# Altium PCB Rainette.PcbDoc (part 1 of 2)
Units mm, origin at the board's own origin, x right, y up, seen from the top; angles counter-clockwise.
Board outline 91.87 x 44.86 mm, 4 copper layers (Top Layer, Int1 (GND), Int2 (3V3), Bottom Layer), stack 1.57 mm thick; 96 components, 65 nets, 342 pads, 257 vias.
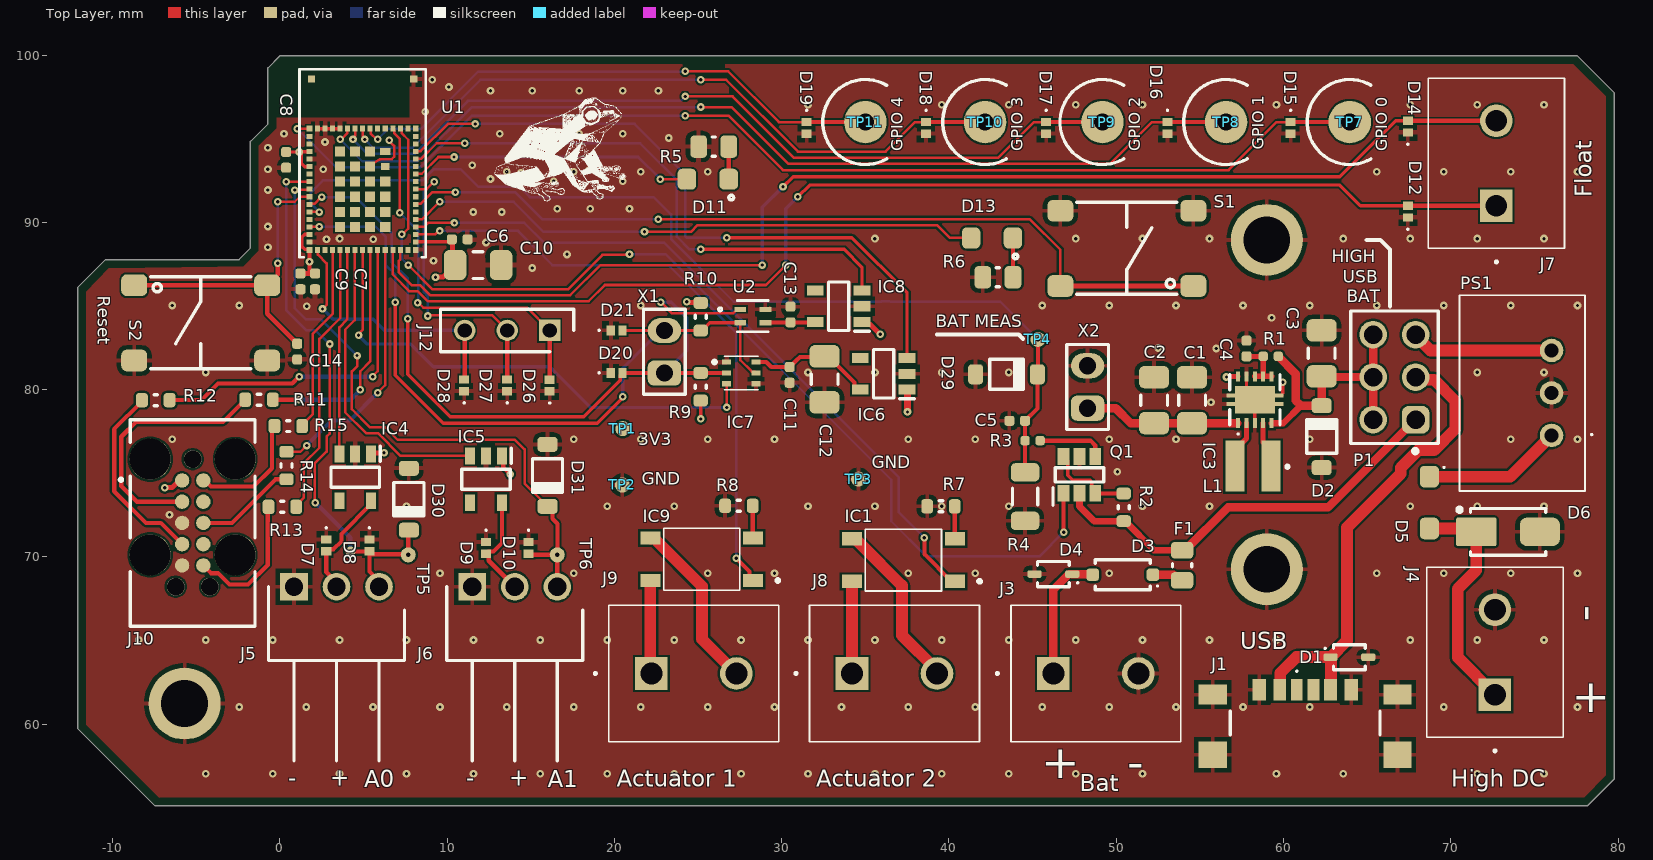
[diagram p0: Top Layer view]
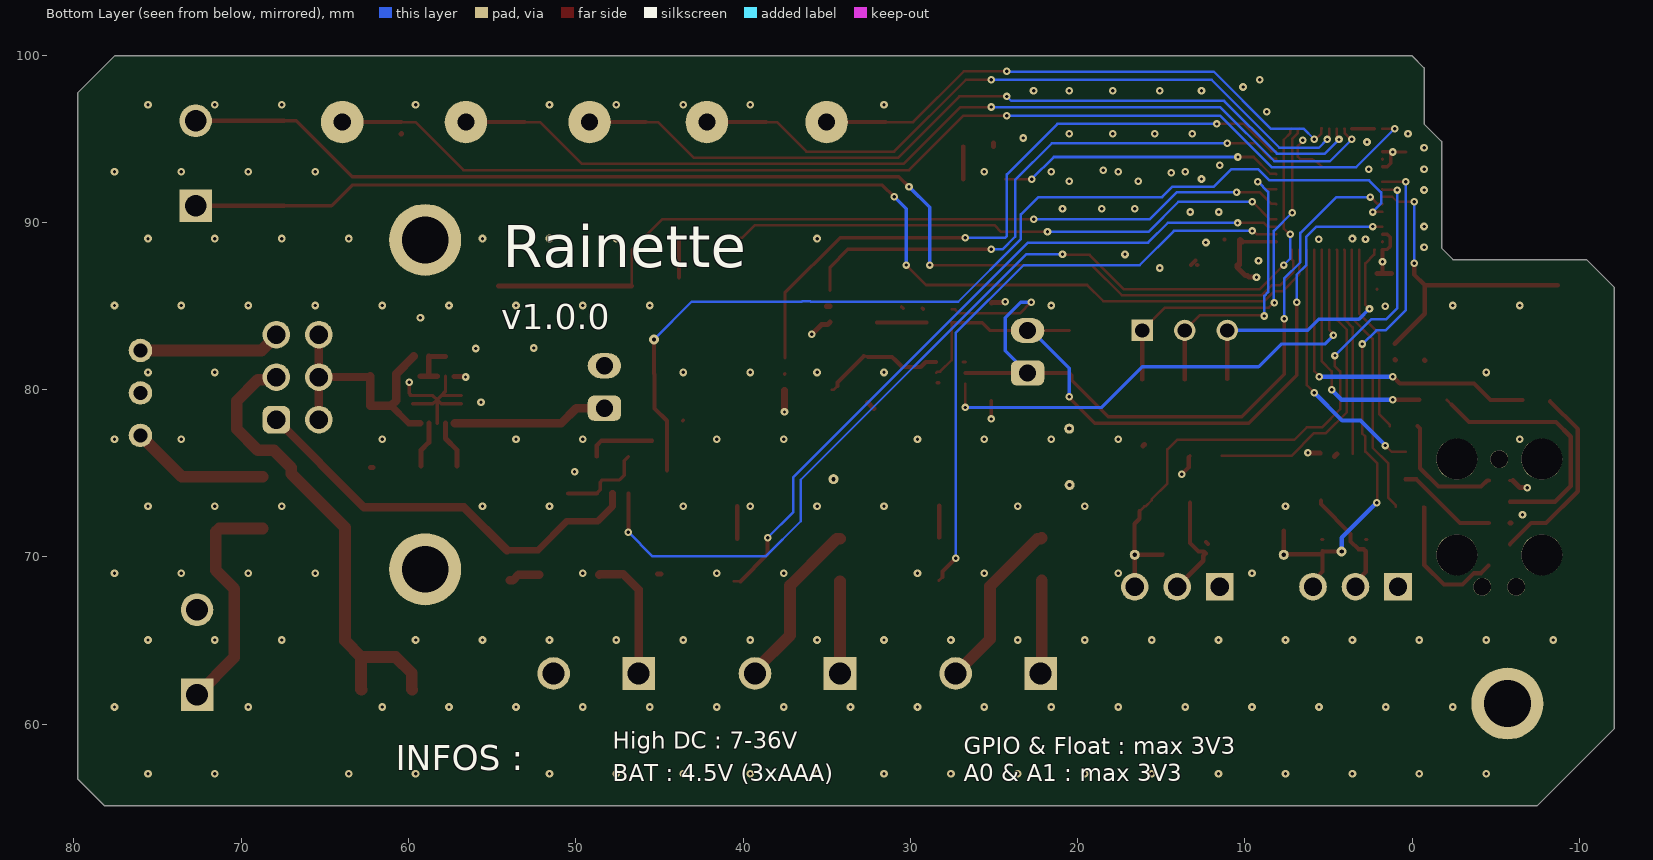
[diagram p1: Bottom Layer view, seen from below]
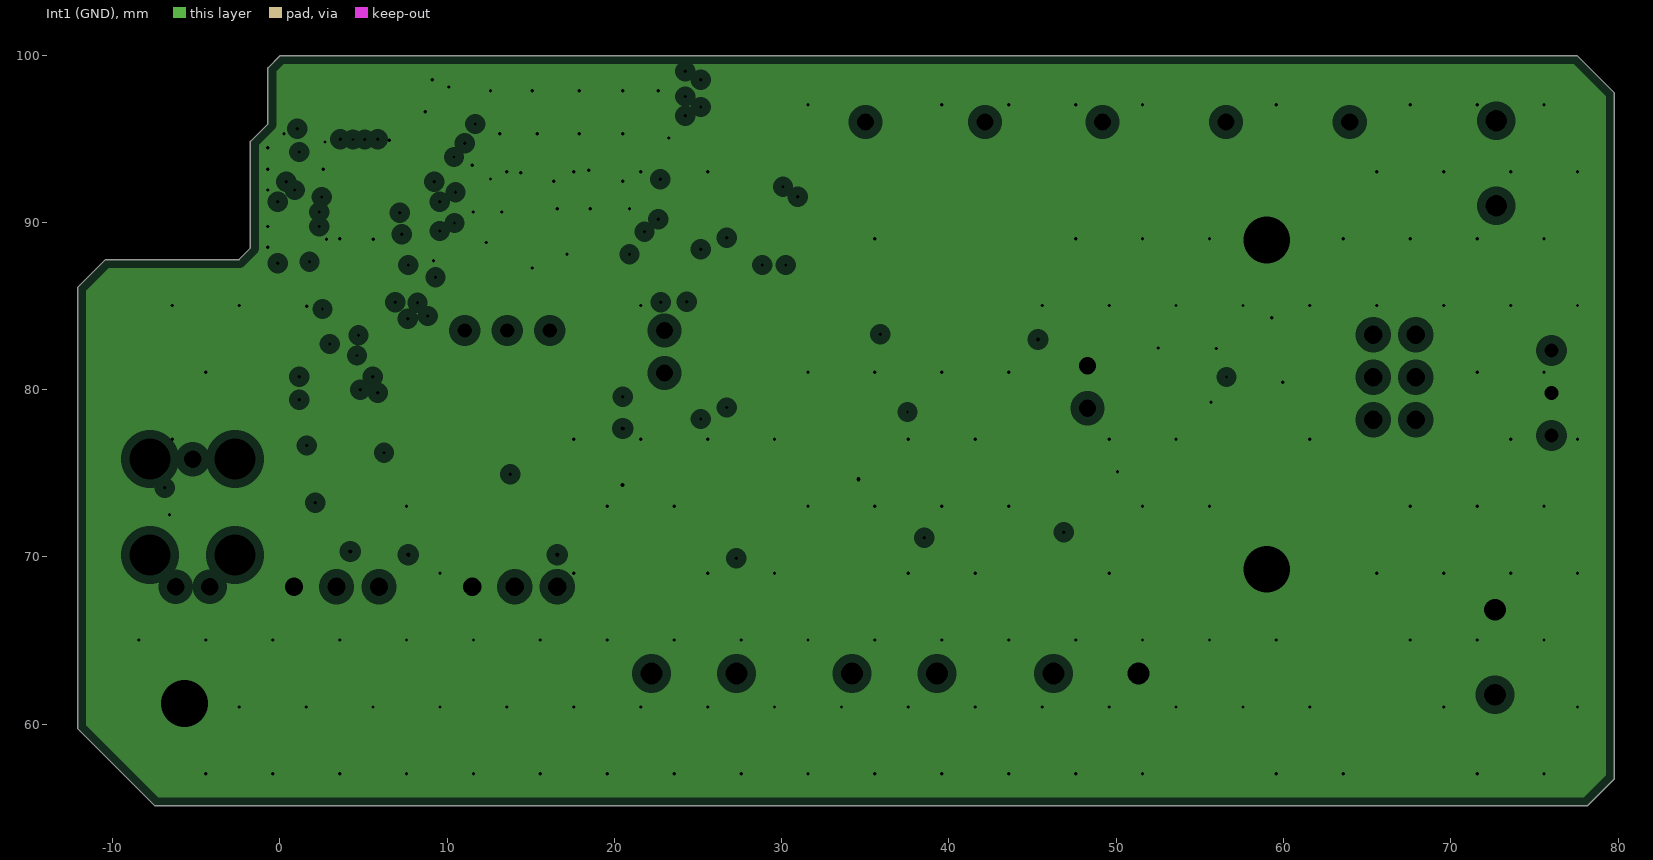
[diagram p2: Int1 (GND), clearances drawn from the general rule]
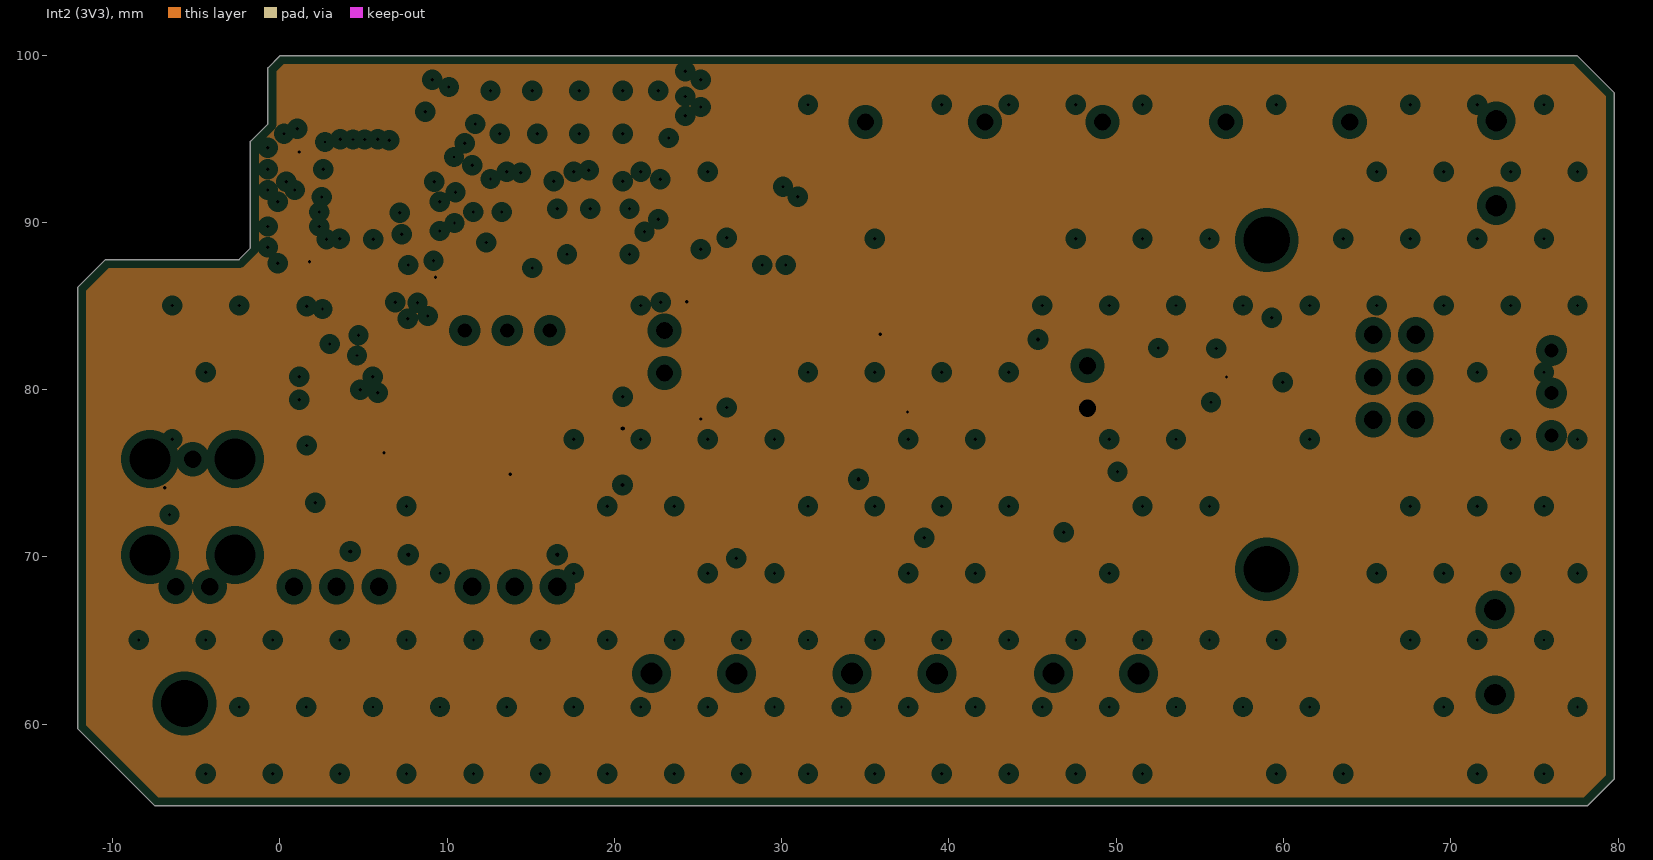
[diagram p3: Int2 (3V3), clearances drawn from the general rule]
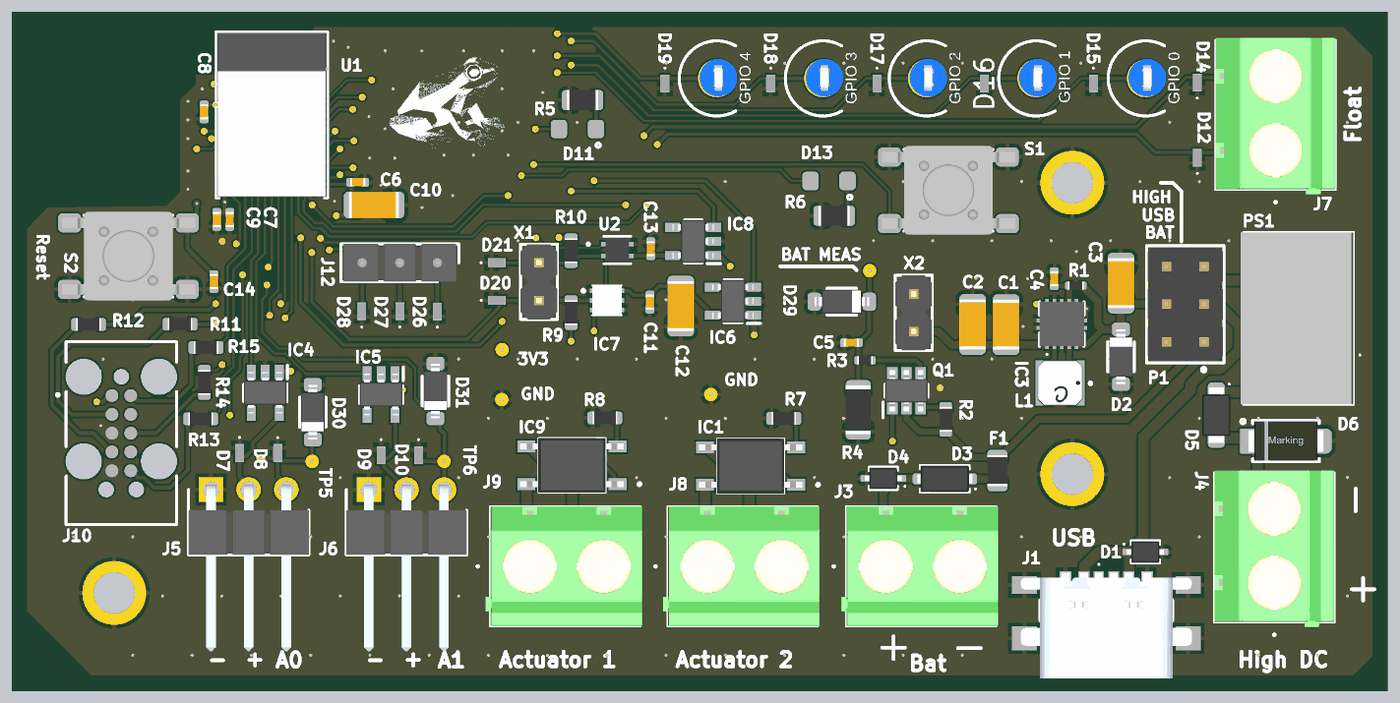
[diagram p5: 3D render of the assembled board from above, using the file's embedded part models]

## Layer stack, top to bottom
Top Solder: solder mask 0.0254, SM-001, Dk 4
Top Layer: signal copper 0.035
Dielectric 1: prepreg 0.18, PP-EC-NP155F, Dk 4.31
Dielectric 2: prepreg 0.18, PP-EC-NP155F, Dk 4.31
Int1 (GND): plane copper 0.035, net GND
Dielectric 3: core 0.71, Core-EC-NP155F-001, Dk 4.53
Int2 (3V3): plane copper 0.035, net 3V3
Dielectric 4: prepreg 0.18, PP-EC-NP155F, Dk 4.31
Dielectric 5: prepreg 0.18, PP-EC-NP155F, Dk 4.31
Bottom Layer: signal copper 0.035
Bottom Solder: solder mask 0.0254, SM-001, Dk 4

## Board outline
-2.438,87.782 -1.753,88.468 -1.753,94.844 -0.711,95.885 -0.711,99.238 0.025,99.974 77.546,99.974 79.781,97.739 79.781,56.744 78.156,55.118 -7.468,55.118 -12.09,59.741 -12.09,86.106 -10.414,87.782

## Design rules (kind name [scope] priority, off if disabled: settings)
Clearance Clearance_OLTTTPPP [OnOutside] p1: gap=0.125 ignorepadtopadclearanceinfootprint=TRUE
Clearance Clearance_ILTTTPPP [All] p2: gap=0.125 ignorepadtopadclearanceinfootprint=TRUE except(0.2: Arc-Hole Track-Hole SMDPad-Hole THPad-Hole Via-Hole Fill-Hole Poly-Hole Region-Hole)
HoleSize [All] p1: absolutevalues=TRUE maxlimit=1000 minlimit=0.15 maxpercent=80.000 minpercent=20.000
HoleToHoleClearance HoleToHoleClearance_uVia_same_layer_inner [IsMicroVia and ((StartLayer = 'Inner 1') and (StopLayer = 'Inner 2')) vs IsMicroVia and ((StartLayer = 'Inner 1') and (StopLayer = 'Inner 2'))] p1: gap=0.2 allowstackedmicrovias=FALSE
HoleToHoleClearance HoleToHoleClearance_uVia_same_layer_top [IsMicroVia and ((StartLayer = 'Top Layer') and (StopLayer = 'Inner 1')) vs IsMicroVia and ((StartLayer = 'Top Layer') and (StopLayer = 'Inner 1'))] p2: gap=0.2 allowstackedmicrovias=FALSE
HoleToHoleClearance HoleToHoleClearance_uVia [IsMicroVia vs IsMicroVia] p3: gap=0.01 allowstackedmicrovias=FALSE
HoleToHoleClearance [All] p4: gap=0.2 allowstackedmicrovias=FALSE
MinimumAnnularRing MinimumAnnularRing_uVia [IsMicroVia] p1: minimumring=0.09
MinimumAnnularRing MinimumAnnularRing_OAR [OnOutside] p2: minimumring=0.125
MinimumAnnularRing MinimumAnnularRing_IAR [All] p3: minimumring=0.125
PlaneClearance [All] p1: clearance=0.508
PlaneConnect [All] p1: pad.planeconnectstyle=Relief pad.reliefexpansion=0.508 pad.reliefentries=4 pad.reliefconductorwidth=0.254 pad.reliefairgap=0.254 via.planeconnectstyle=Direct via.reliefexpansion=0.508 via.reliefentries=4 via.reliefconductorwidth=0.254 via.reliefairgap=0.254
PolygonConnect PolygonConnectTC2050 [HasFootprint('TC2050-IDC') And OnLayer('Top Layer')] p1: connectstyle=Direct reliefconductorwidth=0.254 reliefentries=4 polygonreliefangle="90 Angle" airgapwidth=0.254
PolygonConnect [All] p2: thpad.connectstyle=Relief thpad.reliefconductorwidth=0.254 thpad.reliefentries=4 thpad.polygonreliefangle="90 Angle" thpad.airgapwidth=0.254 smdpad.connectstyle=Relief smdpad.reliefconductorwidth=0.254 smdpad.reliefentries=4 smdpad.polygonreliefangle="90 Angle" smdpad.airgapwidth=0.254 via.connectstyle=Direct via.reliefconductorwidth=0.254 via.reliefentries=4 via.polygonreliefangle="90 Angle" via.airgapwidth=0.254
RoutingVias RoutingVias_uVia [IsMicroVia] p1: holewidth=0.1 width=0.28 viastyle="Through Hole" minholewidth=0.1 minwidth=0.28 maxholewidth=0.1 maxwidth=0.28
RoutingVias [All] p2: holewidth=0.35 width=0.6 viastyle="Through Hole" minholewidth=0.25 minwidth=0.5 maxholewidth=3 maxwidth=3.25
SolderMaskExpansion [All] p1: expansion=0 istentingtop=FALSE
SupplyNets "Schematic Supply Nets_4" [InNet('VUSB')] p1: voltage=0.000
SupplyNets "Schematic Supply Nets_3" [InNet('3V3')] p2: voltage=0.000
SupplyNets "Schematic Supply Nets_2" [InNet('VHIGH')] p3: voltage=0.000
SupplyNets "Schematic Supply Nets_1" [InNet('GND')] p4: voltage=0.000
SupplyNets "Schematic Supply Nets" [InNet('VBAT')] p5: voltage=0.000
ViasUnderSMD [IsMicroVia] p1: allowed=TRUE
Width Width_ILTW [All] p1: maxlimit=3 minlimit=0.125 preferedwidth=0.125
26 further rules are at their usual default settings.

## Classes and differential pairs
component class Designator: D20 D21 D26 D27 D28 J10 J12 R9 R10 R11 R12 R13 R14 R15 X1
component class Designator: C1 C2 C3 C4 C5 D1 D2 D3 D4 D5 D6 D29 F1 IC3 J1 J3 J4 L1 P1 PS1 Q1 R1 R2 R3 R4 TP1 TP2 TP3 TP4 X2
component class Designator: C14 D11 D12 D13 D14 D15 D16 D17 D18 D19 IC1 IC9 J7 J8 J9 R5 R6 R7 R8 S1 S2 TP7 TP8 TP9 TP10 TP11
component class Designator: C11 C12 C13 D7 D8 D9 D10 D30 D31 IC4 IC5 IC6 IC7 IC8 J5 J6 TP5 TP6 U2
component class Designator: C6 C7 C8 C9 C10 U1

## Components (designator, comment, footprint, x,y, rotation, side; value= is the part's Value field where it differs from the comment)
C1 "10uF" CAPC3216X18N 54.531,79.367 r270 top value=10µF
C2 "10uF" CAPC3216X18N 52.262,79.376 r270 top value=10µF
C3 "10uF" CAPC3216X18N 62.281,82.172 r270 top value=10µF
C4 "100nF" CAPC1005X05N 57.787,82.465 r270 top
C5 "1nF" CAPC1005X05N 44.082,78.142 r0 top
C6 "100nF" CAPC1005X05N 10.754,88.984 r0 top
C7 "100nF" CAPC1005X05N 2.108,86.474 r270 top
C8 "100nF" CAPC1005X05N 0.381,93.739 r270 top
C9 "100nF" CAPC1005X05N 1.233,86.474 r270 top
C10 "10uF" CAPC3216X18N 11.851,87.449 r180 top value=10µF
C11 "100nF" CAPC1005X05N 30.48,80.886 r270 top
C12 "10uF" CAPC3216X18N 32.563,80.62 r90 top value=10µF
C13 "100nF" CAPC1005X05N 30.531,84.493 r90 top
C14 "100nF" CAPC1005X05N 1.041,82.276 r270 top
D1 "CDSOD323-T08S" SODFL250X110-2N 63.938,64.011 r0 top
D2 "MMSZ5233BT1G" SOD3717X135 62.281,77.195 r270 top
D3 "MBR0540" SODFL371X135-2N 50.392,68.943 r180 top
D4 "CDSOD323-T08S" SODFL250X110-2N 46.244,68.98 r180 top
D5 "RS2DFL" SODFL375X120-2N 68.719,73.254 r270 top
D6 "824500331" DIOM4227X25N 73.422,71.501 r0 top
D7 "PESD3V3L1BSLZ" PESD3V3L1BSLZ 2.776,70.692 r270 top
D8 "PESD3V3L1BSLZ" PESD3V3L1BSLZ 5.355,70.692 r270 top
D9 "PESD3V3L1BSLZ" PESD3V3L1BSLZ 12.33,70.55 r270 top
D10 "PESD3V3L1BSLZ" PESD3V3L1BSLZ 14.87,70.55 r270 top
D11 "LTST-C171KRKT" LTST-C171 25.586,92.584 r180 top
D12 "PESD3V3L1BSLZ" PESD3V3L1BSLZ 67.432,90.642 r90 top
D13 "LTST-C171KRKT" LTST-C171 42.575,89.07 r180 top
D14 "PESD3V3L1BSLZ" PESD3V3L1BSLZ 67.432,95.722 r90 top
D15 "PESD3V3L1BSLZ" PESD3V3L1BSLZ 60.427,95.65 r270 top
D16 "PESD3V3L1BSLZ" PESD3V3L1BSLZ 53.061,95.65 r270 top
D17 "PESD3V3L1BSLZ" PESD3V3L1BSLZ 45.812,95.65 r270 top
D18 "PESD3V3L1BSLZ" PESD3V3L1BSLZ 38.633,95.65 r270 top
D19 "PESD3V3L1BSLZ" PESD3V3L1BSLZ 31.493,95.65 r270 top
D20 "PESD3V3L1BSLZ" PESD3V3L1BSLZ 20.137,81.011 r0 top
D21 "PESD3V3L1BSLZ" PESD3V3L1BSLZ 20.137,83.551 r0 top
D26 "PESD3V3L1BSLZ" PESD3V3L1BSLZ 16.135,80.253 r90 top
D27 "PESD3V3L1BSLZ" PESD3V3L1BSLZ 13.595,80.264 r90 top
D28 "PESD3V3L1BSLZ" PESD3V3L1BSLZ 11.021,80.264 r90 top
D29 "MMSZ5227BT1G" SOD3717X135 43.44,80.921 r180 top
D30 "MMSZ5227BT1G" SOD3717X135 7.715,73.453 r90 top
D31 "MMSZ5227BT1G" SOD3717X135 16.002,74.88 r90 top
F1 "0ZCK0075FF2E" RESC2012X05N 53.936,69.503 r90 top
IC1 "G3VM-61VY3_TR_" G3VM61VY3TR 37.28,69.813 r90 top
IC3 "TPS63001DRC" TPS63002DRCT 58.287,79.401 r90 top
IC4 "XC8102AA01MR-G" SOT95P280X130-5N 4.508,74.762 r270 top
IC5 "XC8102AA01MR-G" SOT95P280X130-5N 12.33,74.642 r270 top
IC6 "XC8102AA01MR-G" SOT95P280X130-5N 36.093,80.95 r180 top
IC7 "VEML6030" VEML6030 27.584,81.005 r0 top
IC8 "XC8102AA01MR-G" SOT95P280X130-5N 33.401,84.988 r180 top
IC9 "G3VM-61VY3_TR_" G3VM61VY3TR 25.222,69.864 r90 top
J1 "UJC-HP-G-5-SMT-TR" UJCHPG5SMTTR 61.293,59.041 r0 top
J3 "1729128" 1729128 46.244,63.036 r0 top
J4 "1729128" 1729128 72.637,61.766 r90 top
J5 "PH1RB-03-UA" HDRRA3W64P0X254_1X3_762X250X301P 0.85,68.224 r180 top
J6 "PH1RB-03-UA" HDRRA3W64P0X254_1X3_762X250X301P 11.505,68.219 r180 top
J7 "1729128" 1729128 72.722,90.992 r90 top
J8 "1729128" 1729128 34.205,63.036 r0 top
J9 "1729128" 1729128 22.213,63.036 r0 top
J10 "TC2050-IDC" TC2050-IDC -2.667,72.987 r270 top
J12 "M20-9990345" HDRV3W64P0X254_1X3_762X254X864P 16.135,83.546 r180 top
L1 "2.2uH" LPS3015 58.173,75.429 r180 top
P1 "61300621121" 61300621121 66.624,80.747 r90 top
PS1 "TSR_1-2450E" TSR12450E 76.022,77.267 r90 top
Q1 "DMC3071LVT-13" SOT95P280X100-6N 47.798,74.904 r90 top
R1 "100" RESC1005X04N 59.237,81.995 r0 top value=0.1
R2 "100k 0.1%" RESC1608X04N 50.446,72.97 r270 top value=100k
R3 "22k 0.1%" RESC1005X04N 45.002,76.954 r180 top value=22k
R4 "82k" RESC3216X06N 44.552,73.609 r90 top
R5 "120 0.1%" RESC2012X05N 25.936,94.534 r180 top value=120
R6 "120 0.1%" RESC2012X05N 42.925,86.722 r180 top value=120
R7 "220" RESC1608X04N 39.522,73.03 r0 top
R8 "220" RESC1608X04N 27.443,73.061 r0 top
R9 "10k" RESC1608X04N 25.161,80.179 r270 top
R10 "10k" RESC1608X04N 25.161,84.36 r90 top
R11 "22" RESC1608X04N -1.245,79.4 r180 top
R12 "22" RESC1608X04N -7.417,79.375 r180 top
R13 "22" RESC1608X04N 0.15,72.999 r180 top
R14 "22" RESC1608X04N 0.4,75.467 r270 top
R15 "22" RESC1608X04N 0.508,77.826 r180 top
S1 "PTS645SL43SMTR92LFS" PTS645SL43SMTR92LFS 50.635,88.445 r180 top
S2 "PTS645SL43SMTR92LFS" PTS645SL43SMTR92LFS -4.728,83.997 r0 top
TP1 "ICT Test Point - TH Round Pad" TPICTTH09N 20.502,77.672 r270 top
TP2 "ICT Test Point - TH Round Pad" TPICTTH09N 20.477,74.304 r180 top
TP3 "ICT Test Point - TH Round Pad" TPICTTH09N 34.595,74.651 r90 top
TP4 "ICT Test Point - TH Round Pad" TPICTTH09N 45.321,83.005 r0 top
TP5 "ICT Test Point - TH Round Pad" TPICTTH09N 7.678,70.129 r0 top
TP6 "ICT Test Point - TH Round Pad" TPICTTH09N 16.585,70.129 r0 top
TP7 "5117" 5117 63.957,96 r90 top
TP8 "5117" 5117 56.566,96 r90 top
TP9 "5117" 5117 49.176,96 r90 top
TP10 "5117" 5117 42.164,96 r90 top
TP11 "5117" 5117 35.001,96 r90 top
U1 "STM32WB5MMGH6TR" SIP-LGA86_STM 4.953,93.534 r0 top locked
U2 "SHT41-AD1B-R2" DFN4_SHT41_SEN 28.275,84.404 r0 top
X1 "CONN HEADER VERT 2POS 2.54MM" "CONN HEADER VERT 2POS 2.54MM" 22.993,82.265 r90 top
X2 "CONN HEADER VERT 2POS 2.54MM" "CONN HEADER VERT 2POS 2.54MM" 48.285,80.162 r90 top

## Footprints (in the part's own frame and the unit in brackets; to place one, negate y for a bottom-side part, rotate by r counter-clockwise, add the part's x,y. Pads: shape width x height; smd on the part's side, far side on the other; paste and mask are expansions set on the pad)
5117 [mm] "BLUE  Probe Clip Test Point Series THM, Body Dia 2.54mm, Manufacturer Guidelines"
  round 2.54 hole 1.02: 1(0,0)
  silkscreen extent -2.54,-1.27 2.54,2.54, body extent -1.22,-1.37 1.3,1.17, height 4.67
1729128 [mm]
  rect 1.95x1.95 hole 1.3: 1(0,0)
  round 1.95 hole 1.3: 2(5.08,0)
  silkscreen extent -3.4,-4.08 7.62,4.08, body extent -2.82,-4.05 7.74,4.05, height 10.32
61300621121 [mm] "Pin Header, pitch 2.54 mm, THT, Vertical, dual row, 6p"
  rrect50% 1.65x1.65 hole 1.1: 1(-2.54,-1.27)
  round 1.65 hole 1.1: 2(-2.54,1.27) 3(0,-1.27) 4(0,1.27) 5(2.54,-1.27) 6(2.54,1.27)
  silkscreen extent -4.54,-2.62 3.96,2.62, body extent -3.81,-2.54 3.81,2.54, height 8.59
CAPC1005X05N [mm] "Chip Capacitor, 2-Leads, Body 1.00x0.50mm, IPC Medium Density"
  rrect50% 0.6x0.6 smd: 1(-0.47,0) 2(0.47,0)
  body extent -0.53,-0.28 0.53,0.28, height 0.5
CAPC3216X18N [mm] "Chip Capacitor, 2-Leads, Body 3.20x1.60mm, IPC Medium Density"
  rrect50% 1.35x1.8 smd: 1(-1.375,0) 2(1.375,0)
  silkscreen extent -0.3,-0.8 0.3,0.8, body extent -1.7,-0.9 1.7,0.9, height 1.8
"CONN HEADER VERT 2POS 2.54MM" [mm] "Template component"
  rrect50% 1.5x2 hole 1.02: 1(-1.27,0)
  oval 1.5x2 hole 1.02: 2(1.27,0)
  silkscreen extent -2.54,-1.25 2.54,1.25, body extent -2.54,-1.25 2.54,1.25, height 8.95
DFN4_SHT41_SEN [mil]
  rect 28x12 smd paste+0 mask+0: 1(-29.5,15.75) 2(-29.5,-15.75) 3(29.5,-15.75) 4(29.5,15.75)
  silkscreen extent -81,-36 36,36, body extent -31,-31 31,31, height 23
DIOM4227X25N [mm] "Molded Diode, 2-Leads, Body 4.24x2.67mm, IPC Medium Density"
  rrect10% 2.4x1.7 smd: 1(-1.9,0)
  rrect50% 2.4x1.7 smd: 2(1.9,0)
  silkscreen extent -3.02,-1.4 2.25,1.45, body extent -2.56,-1.34 2.56,1.34, height 2.25
G3VM61VY3TR [mm]
  rect 0.8x1.2 smd: 1(-1.27,-3.075) 2(1.27,-3.075) 3(1.27,3.075) 4(-1.27,3.075)
  silkscreen extent -1.85,-4.6 1.85,2.27, body extent -1.85,-3.5 1.85,3.5, height 2.18
HDRRA3W64P0X254_1X3_762X250X301P [mm]
  rect 1.65x1.65 hole 1.1: 1(0,0)
  round 1.65 hole 1.1: 2(-2.54,0) 3(-5.08,0)
  silkscreen extent -6.6,0 1.52,10.41, body extent -6.6,-0.32 1.52,10.92, height 3.01
HDRV3W64P0X254_1X3_762X254X864P [mm]
  rect 1.275x1.275 hole 0.85: 1(0,0)
  round 1.275 hole 0.85: 2(2.54,0) 3(5.08,0)
  silkscreen extent -1.45,-1.27 6.53,1.27, body extent -1.27,-1.27 6.35,1.27, height 8.64
LPS3015 [mm]
  rect 1.14x3.05 smd: 1(-1.08,0) 2(1.08,0)
  silkscreen extent -2.11,-0.03 -2,0.09, body extent -1.52,-1.52 1.52,1.52, height 1.5
LTST-C171 [mm] "LED GREEN CLEAR CHIP SMD"
  rrect50% 1.1x1.25 smd: 1(-1.25,0) 2(1.25,0)
  silkscreen extent -1.54,0.96 -1.26,1.24, body extent -1,-0.63 1,0.63, height 0.8
PESD3V3L1BSLZ [mm]
  rect 0.5x0.6 smd: 1(-0.35,0) 2(0.35,0)
  silkscreen extent -1.1,-0.05 -1,0.05, body extent -0.49,-0.3 0.51,0.3, height 0.35
PTS645SL43SMTR92LFS [mm] "Template component"
  rrect50% 1.55x1.3 smd: 1(-3.975,2.25) 2(3.975,2.25) 3(-3.975,-2.25) 4(3.975,-2.25)
  silkscreen extent -3,-2.75 3,2.75, body extent -4.5,-3 4.5,3, height 4.3
RESC1005X04N [mm] "Chip Resistor, 2-Leads, Body 1.00x0.50mm, IPC Medium Density"
  rrect50% 0.55x0.55 smd: 1(-0.45,0) 2(0.45,0)
  body extent -0.53,-0.28 0.53,0.28, height 0.4
RESC1608X04N [mm] "Chip Resistor, 2-Leads, Body 1.60x0.80mm, IPC Medium Density"
  rrect50% 0.7x0.85 smd: 1(-0.825,0) 2(0.825,0)
  silkscreen extent -0.1,-0.33 0.1,0.33, body extent -0.82,-0.43 0.82,0.43, height 0.45
RESC2012X05N [mm] "Chip Resistor, 2-Leads, Body 2.00x1.25mm, IPC Medium Density"
  rrect50% 1x1.35 smd: 1(-0.9,0) 2(0.9,0)
  silkscreen extent -0.1,-0.58 0.1,0.58, body extent -1.05,-0.67 1.05,0.67, height 0.5
RESC3216X06N [mm] "Chip Resistor, 2-Leads, Body 3.20x1.60mm, IPC Medium Density"
  rrect50% 1.1x1.7 smd: 1(-1.45,0) 2(1.45,0)
  silkscreen extent -0.5,-0.75 0.5,0.75, body extent -1.65,-0.85 1.65,0.85, height 0.65
SIP-LGA86_STM [mm]
  rect 0.35x0.35 smd mask-2539.97: 1(-3.175,2.075) 17(-3.175,-5.175) 31(3.175,-5.175) 47(3.175,2.075)
  rect 0.35x0.3 smd mask-2539.97: 2(-3.175,1.6) 3(-3.175,1.15) 4(-3.175,0.7) 5(-3.175,0.25) 6(-3.175,-0.2) 7(-3.175,-0.65) 8(-3.175,-1.1) 9(-3.175,-1.55) 10(-3.175,-2) 11(-3.175,-2.45) 12(-3.175,-2.9) 13(-3.175,-3.35) 14(-3.175,-3.8) 15(-3.175,-4.25) 16(-3.175,-4.7) 32(3.175,-4.7) 33(3.175,-4.25) 34(3.175,-3.8) 35(3.175,-3.35) 36(3.175,-2.9) 37(3.175,-2.45) 38(3.175,-2) 39(3.175,-1.55) 40(3.175,-1.1) 41(3.175,-0.65) 42(3.175,-0.2) 43(3.175,0.25) 44(3.175,0.7) 45(3.175,1.15) 46(3.175,1.6)
  rect 0.3x0.35 smd mask-2539.97: 18(-2.7,-5.175) 19(-2.25,-5.175) 20(-1.8,-5.175) 21(-1.35,-5.175) 22(-0.9,-5.175) 23(-0.45,-5.175) 24(0,-5.175) 25(0.45,-5.175) 26(0.9,-5.175) 27(1.35,-5.175) 28(1.8,-5.175) 29(2.25,-5.175) 30(2.7,-5.175) 48(2.7,2.075) 49(2.25,2.075) 50(1.8,2.075) 51(1.35,2.075) 52(0.9,2.075) 53(0.45,2.075) 54(0,2.075) 55(-0.45,2.075) 56(-0.9,2.075) 57(-1.35,2.075) 58(-1.8,2.075) 59(-2.25,2.075) 60(-2.7,2.075)
  rect 0.6x0.6 smd paste+0 mask+0: 61(-1.35,0.7) 62(-1.35,-0.2) 63(-1.35,-1.1) 64(-1.35,-2) 65(-1.35,-2.9) 66(-1.35,-3.8) 67(-0.45,-3.8) 68(0.45,-3.8) 69(1.35,-3.8) 70(1.35,-2.9) 71(1.35,-2) 72(1.35,-1.1) 75(0.45,0.7) 76(-0.45,0.7) 77(-0.45,-0.2) 78(-0.45,-1.1) 79(-0.45,-2) 80(-0.45,-2.9) 81(0.45,-2.9) 82(0.45,-2) 83(0.45,-1.1) 84(0.45,-0.2)
  rect 0.508x0.432 smd paste+0 mask+0: 73(1.35,-0.2)
  rect 0.6x0.432 smd paste+0 mask+0: 74(1.35,0.7)
  rect 0.43x0.43 smd paste+0 mask+0: 85(-3.05,5.035) 86(3.05,5.035)
  silkscreen extent -3.78,-5.63 3.78,5.63, body extent -3.65,-5.5 3.65,5.5, height 1.43
SOD3717X135 [mm] "SOD-123, 2-Leads, Body 1.60x2.69mm, IPC Medium Density"
  rrect50% 0.9x1.2 smd: 1(-1.85,0) 2(1.85,0)
  silkscreen extent -1,-0.9 1,0.9, body extent -1.84,-0.8 1.84,0.8, height 1.35
SODFL250X110-2N [mm] "SODFL, 2-Leads, Body 1.30x2.50mm, IPC Medium Density"
  rrect50% 0.85x0.45 smd: 1(-1.125,0) 2(1.125,0)
  silkscreen extent -1.5,-0.75 0.95,0.75, body extent -1.25,-0.72 1.25,0.72, height 1.1
SODFL371X135-2N [mm] "SODFL, 2-Leads, Body 1.60x3.71mm, IPC Medium Density"
  rrect50% 0.75x0.75 smd: 1(-1.8,0) 2(1.8,0)
  silkscreen extent -2.12,-0.9 1.65,0.9, body extent -1.86,-0.9 1.86,0.9, height 1.35
SODFL375X120-2N [mm] "SODFL, 2-Leads, Body 1.75x3.75mm, IPC Medium Density"
  rrect50% 1.3x1.15 smd: 1(-1.55,0) 2(1.55,0)
  silkscreen extent -2.15,0.83 -2.05,0.92, body extent -1.88,-0.95 1.88,0.95, height 1.2
SOT95P280X100-6N [mm]
  rect 1x0.7 smd: 1(-1.1,0.95) 2(-1.1,0) 3(-1.1,-0.95) 4(1.1,-0.95) 5(1.1,0) 6(1.1,0.95)
  silkscreen extent -1.83,-1.45 0.43,1.58, body extent -1.4,-1.45 1.4,1.45, height 1
SOT95P280X130-5N [mm]
  rect 1x0.6 smd: 1(-1.4,0.95) 2(-1.4,0) 3(-1.4,-0.95) 4(1.4,-0.95) 5(1.4,0.95)
  silkscreen extent -1.85,-1.45 0.6,1.5, body extent -1.4,-1.45 1.4,1.45, height 1.3
TC2050-IDC [mil]
  round 34 smd: 1(-62.5,-125) 2(-12.5,-125) 3(37.5,-125) 4(87.5,-125) 5(137.5,-125) 6(137.5,-75) 7(87.5,-75) 8(37.5,-75) 9(-12.5,-75) 10(-62.5,-75)
  round 42 hole 42 unplated: 11(-112.5,-100) 12(187.5,-60.04) 13(187.5,-139.96)
  round 96.5 hole 96.5 unplated: 14(112.5,-200) 15(-112.5,-200) 16(-112.5,0) 17(112.5,0)
  silkscreen extent -205,-273 280,47
TPICTTH09N [mm] "In-Circuit Test Point Through Hole Pad, No Case, Round Pad, 0.9mm, No Overlay, No Bom"
  round 0.9 / inner round 0.9 / far side round 0.6 hole 0.25 paste-2539.97: 1(0,0)
TPS63002DRCT [mm]
  rect 0.6x0.24 smd: 1(-1.4,1) 2(-1.4,0.5) 3(-1.4,0) 4(-1.4,-0.5) 5(-1.4,-1) 6(1.4,-1) 7(1.4,-0.5) 8(1.4,0) 9(1.4,0.5) 10(1.4,1)
  rect 1.65x2.4 smd: 11(0,0)
  rect 0.25x0.5 smd: 12(-0.25,-1.45) 13(0.25,-1.45) 14(0.25,1.45) 15(-0.25,1.45)
  silkscreen extent -2.1,-1.5 1.5,1.5, body extent -1.5,-1.5 1.5,1.5, height 1.1
TSR12450E [mm]
  round 1.4 hole 0.83: 1(0,0) 2(2.54,0) 3(5.08,0)
  silkscreen extent -3.32,-2.45 8.38,5.5, body extent -3.27,-1.83 8.33,5.67, height 10.1
UJCHPG5SMTTR [mm]
  rect 1.7x1.2 smd: 1(-5.52,2.73) 2(5.52,2.73)
  rect 1.7x1.6 smd: 3(-5.52,-0.87) 4(5.52,-0.87)
  rect 0.7x1.3 smd: A5(-0.5,3.02) B5(0.5,3.02)
  rect 0.76x1.3 smd: A9(1.52,3.02) B9(-1.52,3.02)
  rect 0.8x1.3 smd: A12(2.75,3.02) B12(-2.75,3.02)
  silkscreen extent -4.47,0.33 4.47,4.18, body extent -5.77,-3.57 5.77,3.57, height 3.16
VEML6030 [mm]
  rect 0.55x0.3 smd: 1(-0.875,0.65) 2(-0.875,0) 3(-0.875,-0.65) 4(0.875,-0.65) 5(0.875,0) 6(0.875,0.65)
  silkscreen extent -1.7,-1 1,1, body extent -1,-1 1,1, height 0.87

## Part data
C1 C2 C10 C12: library part CMP-0001778-4, "10 µF ±10% 50V Ceramic Capacitor X7R 1206 (3216 Metric)", Case/Package="1206 (3216 Metric)", Max Operating Temperature=125°C, Min Operating Temperature=-55°C, Temperature Coefficient=X7R, Tolerance=10%, Voltage Rating=50V, Mounting Technology="Surface Mount", RoHS Compliant=Yes
C3: library part CMP-0001778-4, "10 µF ±10% 50V Ceramic Capacitor X7R 1206 (3216 Metric)", Case/Package="1206 (3216 Metric)", Manufacturer_Name="Samsung Electro-Mechanics", Manufacturer_Part_Number=CL31B106KBHNNNE, Max Operating Temperature=125°C, Min Operating Temperature=-55°C, Mouser Part Number=187-CL31B106KBHNNNE, Temperature Coefficient=X7R, Tolerance=10%, Voltage Rating=50V, Mounting Technology="Surface Mount", RoHS Compliant=Yes
C4 C6 C7 C8 C9 C11 C13 C14: library part CMP-0003371-1, "100nF 10% 50V Ceramic Capacitor X8L 0402 (1005 Metric)", Case/Package="0402 (1005 Metric)", Max Operating Temperature=150°C, Min Operating Temperature=-55°C, Temperature Coefficient=X8L, Tolerance=10%, Voltage Rating=50V, Mounting Technology="Surface Mount", RoHS Compliant=Yes
C5: library part CMP-0003402-1, "1nF 20% 50V Ceramic Capacitor X7R 0402 (1005 Metric)", Case/Package="0402 (1005 Metric)", Max Operating Temperature=125°C, Min Operating Temperature=-55°C, Temperature Coefficient=X7R, Tolerance=20%, Voltage Rating=50V, Mounting Technology="Surface Mount", RoHS Compliant=Yes
D1: library part CMP-0002421-1, "TVS Diode, 500W, 8V V(RWM), Unidirectional, 1 Element, 16.9V (Typ) Clamp 34A (8/20µs) Ipp Surface Mount SOD-323", Breakdown Voltage=8.5V, Case/Package=SOD-323, Clamping Voltage @ Ipp=16.9V, Manufacturer_Name=Bourns, Manufacturer_Part_Number=CDSOD323-T08SC, Max Operating Temperature=150°C, Min Operating Temperature=-55°C, Mouser Part Number=652-CDSOD323-T08SC, Peak Pulse Current=34A, Reverse Standoff Voltage=8V, Mounting Technology="Surface Mount", RoHS Compliant=Yes, Type=Zener
D2: library part CMP-0005477-4, "Zener Diode 6V 500 mW ±5% Surface Mount SOD-123", Case/Package=SOD-123, Forward Voltage=900mV, Max Operating Temperature=155°C, Min Operating Temperature=-55°C, Power=500mW, Tolerance=5%, Zener Voltage=6V, Impedance=7, Mounting Technology="Surface Mount", RoHS Compliant=Yes
D3: library part CMP-0001774-4, "DIODE SCHOTTKY 40V 500MA SOD123", Case/Package=SOD123, DC Reverse Voltage=40V, Forward Current=500mA, Forward Voltage=550mV, Max Operating Temperature=150°C, Min Operating Temperature=-55°C, Power Dissipation=410mW, Mounting Technology="Surface Mount", Reverse Recovery Time=500ns, RoHS Compliant=Yes
D4: library part CMP-0002421-1, "TVS Diode, 500W, 8V V(RWM), Unidirectional, 1 Element, 16.9V (Typ) Clamp 34A (8/20µs) Ipp Surface Mount SOD-323", Breakdown Voltage=8.5V, Case/Package=SOD-323, Clamping Voltage @ Ipp=16.9V, Max Operating Temperature=150°C, Min Operating Temperature=-55°C, Peak Pulse Current=34A, Reverse Standoff Voltage=8V, Mounting Technology="Surface Mount", RoHS Compliant=Yes, Type=Zener
D5: library part CMP-0002644-1, "Rectifier Diode, 1 Phase, 1 Element, 2A, 200V V(RRM), Silicon", Case/Package=SMA, DC Reverse Voltage=200V, Forward Current=2A, Forward Voltage=1.3V, Max Operating Temperature=150°C, Min Operating Temperature=-55°C, Power Dissipation=2.6W, Mounting Technology="Surface Mount", Reverse Recovery Time=150ns, RoHS Compliant=Yes
D6: library part CMP-0005814-3, "Trans Voltage Suppressor Diode, 400W, 33V V(RWM), Unidirectional", Breakdown Voltage=38.65V, Case/Package=DO-214AC, Clamping Voltage @ Ipp=53.3V, Max Operating Temperature=150°C, Min Operating Temperature=-65°C, Peak Pulse Current=7.5A, Reverse Standoff Voltage=33V, Mounting Technology="Surface Mount", RoHS Compliant=Yes, Type=Zener
D7 D8 D9 D10 D12 D14 D15 D16 D17 D18 D19 D20 D21 D26 D27 D28: "Diode ESD (Bi-directional)", Manufacturer_Name=Nexperia, Mouser Part Number=771-PESD3V3L1BSLZ, Datasheet Link=https://assets.nexperia.com/documents/data-sheet/PESD3V3L1BSL.pdf, Height=0.45mm, Manufacturer_Part_Number=PESD3V3L1BSLZ, Mouser Price/Stock=https://www.mouser.co.uk/ProductDetail/Nexperia/PESD3V3L1BSLZ?qs=Li%252BoUPsLEnsrB%2FnSgNrAWw%3D%3D
D11 D13: library part CMP-0002115-5, "Single Color LED, Red, Water Clear, 1.4mm", Case/Package="0805 (2012 Metric)", Color=Red, Forward Voltage=2V, Max Operating Temperature=85°C, Min Operating Temperature=-55°C, Mounting Technology="Surface Mount", RoHS Compliant=Yes, Viewing Angle=130°
D29 D30 D31: library part CMP-0005471-4, "Zener Diode 3.6V 500 mW ±5% Surface Mount SOD-123", Case/Package=SOD-123, Forward Voltage=900mV, Max Operating Temperature=155°C, Min Operating Temperature=-55°C, Power=500mW, Tolerance=5%, Zener Voltage=3.6V, Impedance=24, Mounting Technology="Surface Mount", RoHS Compliant=Yes
F1: library part CMP-0002366-7, "Polymeric PTC Resettable Fuse 6V 750 mA Ih Surface Mount 0805 (2012 Metric), Concave", AC Voltage Rating=12V, Breaking Capacity @ Rated Voltage=40A, Case/Package="0805 (2012 Metric)", Current Rating=750mA, DC Voltage Rating=6V, Max Operating Temperature=-40°C, Min Operating Temperature=85°C, Mounting Technology="Surface Mount", Response Time=200ms, RoHS Compliant=Yes
IC1 IC9: "Integrated Circuit", Arrow Part Number=G3VM-61VY3(TR), Manufacturer_Name="Omron Electronics", Mouser Part Number=653-G3VM-61VY3TR, Arrow Price/Stock=https://www.arrow.com/en/products/g3vm-61vy3-tr/omron?utm_currency=USD&region=nac, Datasheet Link=https://pt.mouser.com/datasheet/2/307/omron_04102018_G3VM-6_G__61VY1_DS_E-1317117.pdf, Height=2.5mm, Manufacturer_Part_Number=G3VM-61VY3(TR), Mouser Price/Stock=https://www.mouser.co.uk/ProductDetail/Omron-Electronics/G3VM-61VY3TR?qs=F5EMLAvA7IDWDr%252BrEjvwmw%3D%3D
IC3: "Integrated Circuit", Manufacturer_Name="Texas Instruments", Datasheet Link=https://www.ti.com/lit/ds/symlink/tps63002.pdf?HQS=dis-mous-null-mousermode-dsf-pf-null-wwe&ts=1627981401743&ref_url=https%253A%252F%252Fwww.mouser.cn%252F, Height=1mm, Manufacturer_Part_Number=TPS63001DRC
IC4 IC5 IC6 IC8: "Integrated Circuit", Manufacturer_Name=Torex, Mouser Part Number=865-XC8102AA01MR-G, Datasheet Link=https://www.torexsemi.com/file/xc8102/XC8102.pdf, Height=1.3mm, Manufacturer_Part_Number=XC8102AA01MR-G, Mouser Price/Stock=https://www.mouser.co.uk/ProductDetail/Torex-Semiconductor/XC8102AA01MR-G?qs=AsjdqWjXhJ%2FtsvzBWYmfYQ%3D%3D
IC7: "Integrated Circuit", Manufacturer_Name=Vishay, Mouser Part Number=78-VEML6030, Arrow Part Number=VEML6030, Arrow Price/Stock=https://www.arrow.com/en/products/veml6030/vishay?utm_currency=USD&region=nac, Datasheet Link=https://www.vishay.com/docs/84366/veml6030.pdf, Height=0.87mm, Manufacturer_Part_Number=VEML6030, Mouser Price/Stock=https://www.mouser.co.uk/ProductDetail/Vishay-Semiconductors/VEML6030?qs=oeTp6q%252Bm7GMZCCnCKRrv4g%3D%3D
J1: "Connector", Manufacturer_Name="Same Sky", Mouser Part Number=179-UJCHPG5SMTTR, Arrow Part Number=UJC-HP-G-5-SMT-TR, Arrow Price/Stock=https://www.arrow.com/en/products/ujc-hp-g-5-smt-tr/same-sky-(formerly-cui-devices)?utm_currency=USD&region=nac, Datasheet Link=https://www.sameskydevices.com/product/resource/supplyframepdf/ujc-hp-g-5-smt-tr.pdf, Height=3.36mm, Manufacturer_Part_Number=UJC-HP-G-5-SMT-TR, Mouser Price/Stock=https://www.mouser.co.uk/ProductDetail/Same-Sky/UJC-HP-G-5-SMT-TR?qs=vvQtp7zwQdPGKwfb4jpehQ%3D%3D
J3 J4 J7 J8 J9: "Connector", Manufacturer_Name="Phoenix Contact", Mouser Part Number=651-1729128, Arrow Part Number=1729128, Arrow Price/Stock=https://www.arrow.com/en/products/1729128/phoenix-contact?region=nac, Datasheet Link=http://www.phoenixcontact.net/product/1729128, Height=10.15mm, Manufacturer_Part_Number=1729128, Mouser Price/Stock=https://www.mouser.co.uk/ProductDetail/Phoenix-Contact/1729128?qs=GFUSqQMLmmnCBVBY3dts9w%3D%3D, System=Connector
J5 J6: "Connector", Manufacturer_Name="Adam Tech", Mouser Part Number=737-PH1RB-03-UA, Arrow Part Number=PH1RB-03-UA, Arrow Price/Stock=https://www.arrow.com/en/products/ph1rb-03-ua/adam-tech?utm_currency=USD&region=nac, Datasheet Link=https://app.adam-tech.com/products/download/data_sheet/201281/ph1rb-xx-ua-data-sheet.pdf, Height=3.008mm, Manufacturer_Part_Number=PH1RB-03-UA, Mouser Price/Stock=https://www.mouser.co.uk/ProductDetail/Adam-Tech/PH1RB-03-UA?qs=HoCaDK9Nz5dMpkzb4k6qpA%3D%3D, System=Connector
J10: "Connector", Manufacturer_Name="Tag Connect", Datasheet Link=https://datasheet.datasheetarchive.com/originals/distributors/Datasheets_SAMA/51f607a36a24a0aceedaa5d6ebc30014.pdf, Manufacturer_Part_Number=TC2050-IDC, System=Connector
J12: "Connector", Manufacturer_Name=Harwin, Mouser Part Number=855-M20-9990345, Datasheet Link=https://cdn.harwin.com/pdfs/M20-999.pdf, Height=8.64mm, Manufacturer_Part_Number=M20-9990345, Mouser Price/Stock=https://www.mouser.co.uk/ProductDetail/Harwin/M20-9990345?qs=ulE8k0yEMYbl6ZPCtNdmpA%3D%3D, System=Connector
L1: library part LPS3015-222MLB, "Inductor / LPS3015-222MLB", Manufacturer_Name=COILCRAFT, Mouser Part Number=994-LPS3015-222MLB, Datasheet Link=https://www.mouser.de/datasheet/2/597/lps3015-270734.pdf, Manufacturer_Part_Number=LPS3015-222MLB, Mouser Price/Stock=https://www.mouser.co.uk/ProductDetail/Coilcraft/LPS3015-222MLB?qs=zCSbvcPd3pZ6eDikEPAG6g%3D%3D
P1: "WR-PHD Pin Header, THT, Vertical, pitch 2.54mm, 2 Row, 6P", Contact Resistance=20mOhm, Manufacturer="Wurth Elektronik", Operating Temperature Max=105°C, Operating Temperature Min=-40°C, Rated Current=3A, Withstanding Voltage=500V, Working Voltage=250V, Category="Board-to-Board Connectors", ComponentLink1Description="Website Link", ComponentLink1URL=https://www.we-online.com/redexpert/article/61300621121?ad, ComponentLink2Description="Datasheet Link", ComponentLink2URL=https://www.we-online.com/redexpert/spec/61300621121?ad, Gender="Pin Header", Manufacturer Part Number=61300621121, Match Code=WR-PHD, Mount="Through Hole", Number of Pins=6, Number of Rows=2, Orientation=Vertical, Packaging=Bag, Pitch=2.54mm
PS1: "DC/DC Converter  / 7-36 V -> 5V", Manufacturer_Name="Traco Power", Manufacturer_Part_Number="TSR 1-2450E", Mouser Part Number=495-TSR1-2450E, Datasheet Link=https://tracopower.com/tsr1e-datasheet/, Height=10.6mm, Mouser Price/Stock=https://www.mouser.co.uk/ProductDetail/TRACO-Power/TSR-1-2450E?qs=vmHwEFxEFR%2FlQnbAtEoeVA%3D%3D
Q1: "MOSFET Pair (N/P-Channel)", Manufacturer_Name="Diodes Incorporated", Mouser Part Number=621-DMC3071LVT-13, Arrow Part Number=DMC3071LVT-13, Arrow Price/Stock=https://www.arrow.com/en/products/dmc3071lvt-13/diodes-incorporated, Datasheet Link=https://www.diodes.com//assets/Datasheets/DMC3071LVT.pdf, Height=1mm, Manufacturer_Part_Number=DMC3071LVT-13, Mouser Price/Stock=https://www.mouser.co.uk/ProductDetail/Diodes-Incorporated/DMC3071LVT-13?qs=wUXugUrL1qxBKRufN84dSg%3D%3D
R1: library part CMP-0004701-2, "100 Ohms 0402 / CRCW0402100RFKEDC", Case/Package="0402 (1005 Metric)", Max Operating Temperature=155°C, Min Operating Temperature=-55°C, Power=62.5mW, Resistor Series=E24, Temperature Coefficient=800ppm/°C, Tolerance=1%, Voltage Rating=50V, Mounting Technology="Surface Mount", RoHS Compliant=Yes
R2: library part CMP-0004445-2, "100 kOhms ±0.1% 0.1W, 1/10W Chip Resistor 0603 (1608 Metric) Thin Film", Case/Package="0603 (1608 Metric)", Max Operating Temperature=155°C, Min Operating Temperature=-55°C, Power=100mW, Resistor Series=E96, Temperature Coefficient=25ppm/°C, Tolerance=0.1%, Voltage Rating=75V, Mounting Technology="Surface Mount", RoHS Compliant=Yes
R3: library part CMP-0004081-2, "22 kOhms ±0.1% 0.063W, 1/16W Chip Resistor 0402 (1005 Metric) Thin Film / RT0402BRD0722KL", Case/Package="0402 (1005 Metric)", Max Operating Temperature=155°C, Min Operating Temperature=-55°C, Power=63mW, Resistor Series=E24, Temperature Coefficient=25ppm/°C, Tolerance=0.1%, Voltage Rating=50V, Mounting Technology="Surface Mount", RoHS Compliant=Yes
R4: library part CMP-0006715-1, "82 kOhms ±1% 0.25W, 1/4W Chip Resistor 1206 (3216 Metric) Moisture Resistant Thick Film / RC1206FR-0782KL", Case/Package="1206 (3216 Metric)", Max Operating Temperature=155°C, Min Operating Temperature=-55°C, Power=250mW, Resistor Series=E24, Temperature Coefficient=100ppm/°C, Tolerance=1%, Voltage Rating=200V, Mounting Technology="Surface Mount", RoHS Compliant=Yes
R5: library part CMP-0005383-3, "120 Ohms ±0.1% 0.125W, 1/8W Chip Resistor 0805 (2012 Metric) Thin Film / RT0805BRD07120RL", Case/Package="0805 (2012 Metric)", Max Operating Temperature=155°C, Min Operating Temperature=-55°C, Power=125mW, Resistor Series=E24, Temperature Coefficient=25ppm/°C, Tolerance=0.1%, Voltage Rating=150V, Mounting Technology="Surface Mount", RoHS Compliant=Yes
R6: library part CMP-0005383-3, "120 Ohms ±0.1% 0.125W, 1/8W Chip Resistor 0805 (2012 Metric) Thin Film", Case/Package="0805 (2012 Metric)", Max Operating Temperature=155°C, Min Operating Temperature=-55°C, Power=125mW, Resistor Series=E24, Temperature Coefficient=25ppm/°C, Tolerance=0.1%, Voltage Rating=150V, Mounting Technology="Surface Mount", RoHS Compliant=Yes
R7 R8: library part CMP-0001959-3, "220 Ohms ±1% 0.1W, 1/10W Chip Resistor 0603 (1608 Metric) Moisture Resistant Thick Film", Case/Package="0603 (1608 Metric)", Max Operating Temperature=155°C, Min Operating Temperature=-55°C, Power=100mW, Resistor Series=E24, Temperature Coefficient=200ppm/°C, Tolerance=1%, Voltage Rating=75V, Mounting Technology="Surface Mount", RoHS Compliant=Yes
R9 R10: library part CMP-0004349-2, "10 kOhms ±0.1% 0.1W, 1/10W Chip Resistor 0603 (1608 Metric) Thin Film", Case/Package="0603 (1608 Metric)", Max Operating Temperature=155°C, Min Operating Temperature=-55°C, Power=100mW, Resistor Series=E96, Temperature Coefficient=25ppm/°C, Tolerance=0.1%, Voltage Rating=75V, Mounting Technology="Surface Mount", RoHS Compliant=Yes
R11 R12 R13 R14 R15: library part CMP-0001940-3, "22 Ohms ±1% 0.1W, 1/10W Chip Resistor 0603 (1608 Metric) Moisture Resistant Thick Film", Case/Package="0603 (1608 Metric)", Max Operating Temperature=155°C, Min Operating Temperature=-55°C, Power=100mW, Resistor Series=E24, Temperature Coefficient=200ppm/°C, Tolerance=1%, Voltage Rating=75V, Mounting Technology="Surface Mount", RoHS Compliant=Yes
S1 S2: library part CMP-00001-2, "Keypad Switch, 1 Switches, SPST, Momentary-tactile, 0.05A, 12VDC, 1.27N, 4 PCB Hole Cnt, Solder Terminal, Surface Mount-straight", Case/Package=4-SMD, Contact Current(DC)-Max=50mA, Max Operating Temperature=60°C, Min Operating Temperature=-20°C, Actuator Type=Pushbutton, Circuit=SPST-NO, Electrical Life=100000Cycles, Mounting Technology="Surface Mount", RoHS Compliant=Yes, Switch Function=SPST, Switch Type=Keypad
TP1 TP2 TP3 TP4 TP5 TP6: library part CMP-0005616-2, "Through hole test point round pad for in-circuit test", Case/Package="No Case", Colour="No Colour", Max Operating Temperature=125°C, Min Operating Temperature=-55°C, Mounting Technology="Not Applicable", NetName=NetName, RoHS Compliant=Yes
TP7 TP8 TP9 TP10 TP11: library part CMP-0002617-2, "PC TEST POINT MINIATURE BLUE", Case/Package=Cylinder, Colour=Blue, Max Operating Temperature=125°C, Min Operating Temperature=-55°C, Mounting Technology="Through Hole", NetName=NetName, RoHS Compliant=Yes
U1: "No Description Available", Mfr_Name=STMicroelectronics, RefDes=RefDes, Type=Type
U2: "No Description Available", Mfr_Name=Sensirion, RefDes=RefDes, Type=Type
X1 X2: library part CMP-0002184-3, "Connector Header Through Hole 2 position 0.100\" (2.54mm)", Current Rating=3A, Max Operating Temperature=105°C, Min Operating Temperature=-40°C, Contact Length=11.54mm, Contact Shape=Square, Mounting Technology="Through Hole", Number of Positions=2, Number of Rows=1, Pitch=2.54mm, RoHS Compliant=Yes, Row Spacing=0mm, Shrouding=Unshrouded, System=Connector

## Free pads (board coordinates)
  round 4.3 hole 2.8: 6(-5.689,61.239) 7(59,88.951) 8(59,69.263)

## Via types
v1: diameter 0.46/0.46 (per signal layer), hole 0.2, Top Layer to Bottom Layer, tented both sides, 185 vias
v2: diameter 0.451/0.451 (per signal layer), hole 0.2, Top Layer to Bottom Layer, 71 vias
v3: diameter 0.6, hole 0.25, Top Layer to Bottom Layer, 1 vias

## Nets (pads, with @x,y where several pads share a name; then routed paths per layer and width w, separated by ;. In a path a pad name is that pad's centre, name@x,y a point inside that pad or via, vN(x,y) a via of type N, cw(c..) or ccw(c..) an arc to the next point about the centre after c; other vN are vias at no path point)
3V3: C1.2 C2.2 C6.1 C7.1 C8.1 C9.1 C10.2 IC3.1 IC3.10 IC4.1 IC5.1 IC6.1 IC8.1 J10.1 R9.2 R10.2 TP1.1 U1.4 U1.6 U1.15 U1.17 U1.32 X2.1 | length 30.1
  Top Layer w0.2: J10.1@-6.013,74.574 J10.1@-5.842,74.574 ; C8.1@0.381,94.209 v2(1.158,94.209) 1.183,94.234 v2@1.279,94.234 ; U1.17@1.778,88.359 1.753,88.384 1.479,88.384 1.303,88.56 1.303,89.108 1.439,89.245 1.449,89.245 1.488,89.284 U1.15@1.778,89.284 ; U1.6@1.778,93.334 1.479,93.334 1.279,93.534 v2@1.279,94.234 ; U1.4@1.778,94.234 v2@1.279,94.234 ; IC4.1@5.458,76.162 IC4.1@5.517,76.221 ; U1.32@8.128,88.834 C6.1@10.134,88.834 ; IC5.1@13.28,76.042 IC5.1@13.361,75.962 ; v2(25.161,78.252) R9.2@25.161,79.354 ; IC6.1@37.493,80 IC6.1@37.522,79.971
  Top Layer w0.25: 1.778,86.944 v1(1.778,87.652) U1.17@1.778,88.359 ; IC5.1@13.361,75.962 13.361,75.359 13.765,74.955 v2(13.779,74.955)
  Top Layer w0.3: v2(-6.88,74.143) -6.445,74.143 J10.1@-6.013,74.574 ; C9.1@1.233,86.944 1.778,86.944 C7.1@2.108,86.944 ; IC4.1@5.517,76.221 v2(6.233,76.221) ; v2(9.307,86.723) 9.75,86.723 9.841,86.815 9.965,86.815 10.476,87.325 C10.2@10.476,87.449 ; C6.1@10.134,88.834 C6.1@10.284,88.984 10.321,88.947 C10.2@10.321,87.45 ; v2(24.336,85.252) 24.369,85.219 25.127,85.219 R10.2@25.161,85.185 ; IC8.1@34.801,84.038 34.951,83.888 35.316,83.888 v2(35.899,83.305) ; v2(56.587,80.759) 56.608,80.78 57.266,80.78 IC3.10@57.287,80.801
  Top Layer w0.4: v2(37.522,78.668) IC6.1@37.522,79.971
  Top Layer w0.5: X2.1@48.358,78.82 X2.1@48.285,78.892 49.971,78.892 50.871,77.992 52.254,77.992 C2.2@52.262,78.001 IC3.1@57.232,78.001